# Altium PCB PCB_MPPT_rev1.PcbDoc (part 1 of 3)
Units mm, origin at the board's own origin, x right, y up, seen from the top; angles counter-clockwise.
Board outline 100 x 200 mm, 4 copper layers (Top Layer, INT1, INT2, Bottom Layer), stack 1.49 mm thick; 287 components, 160 nets, 844 pads, 592 vias.
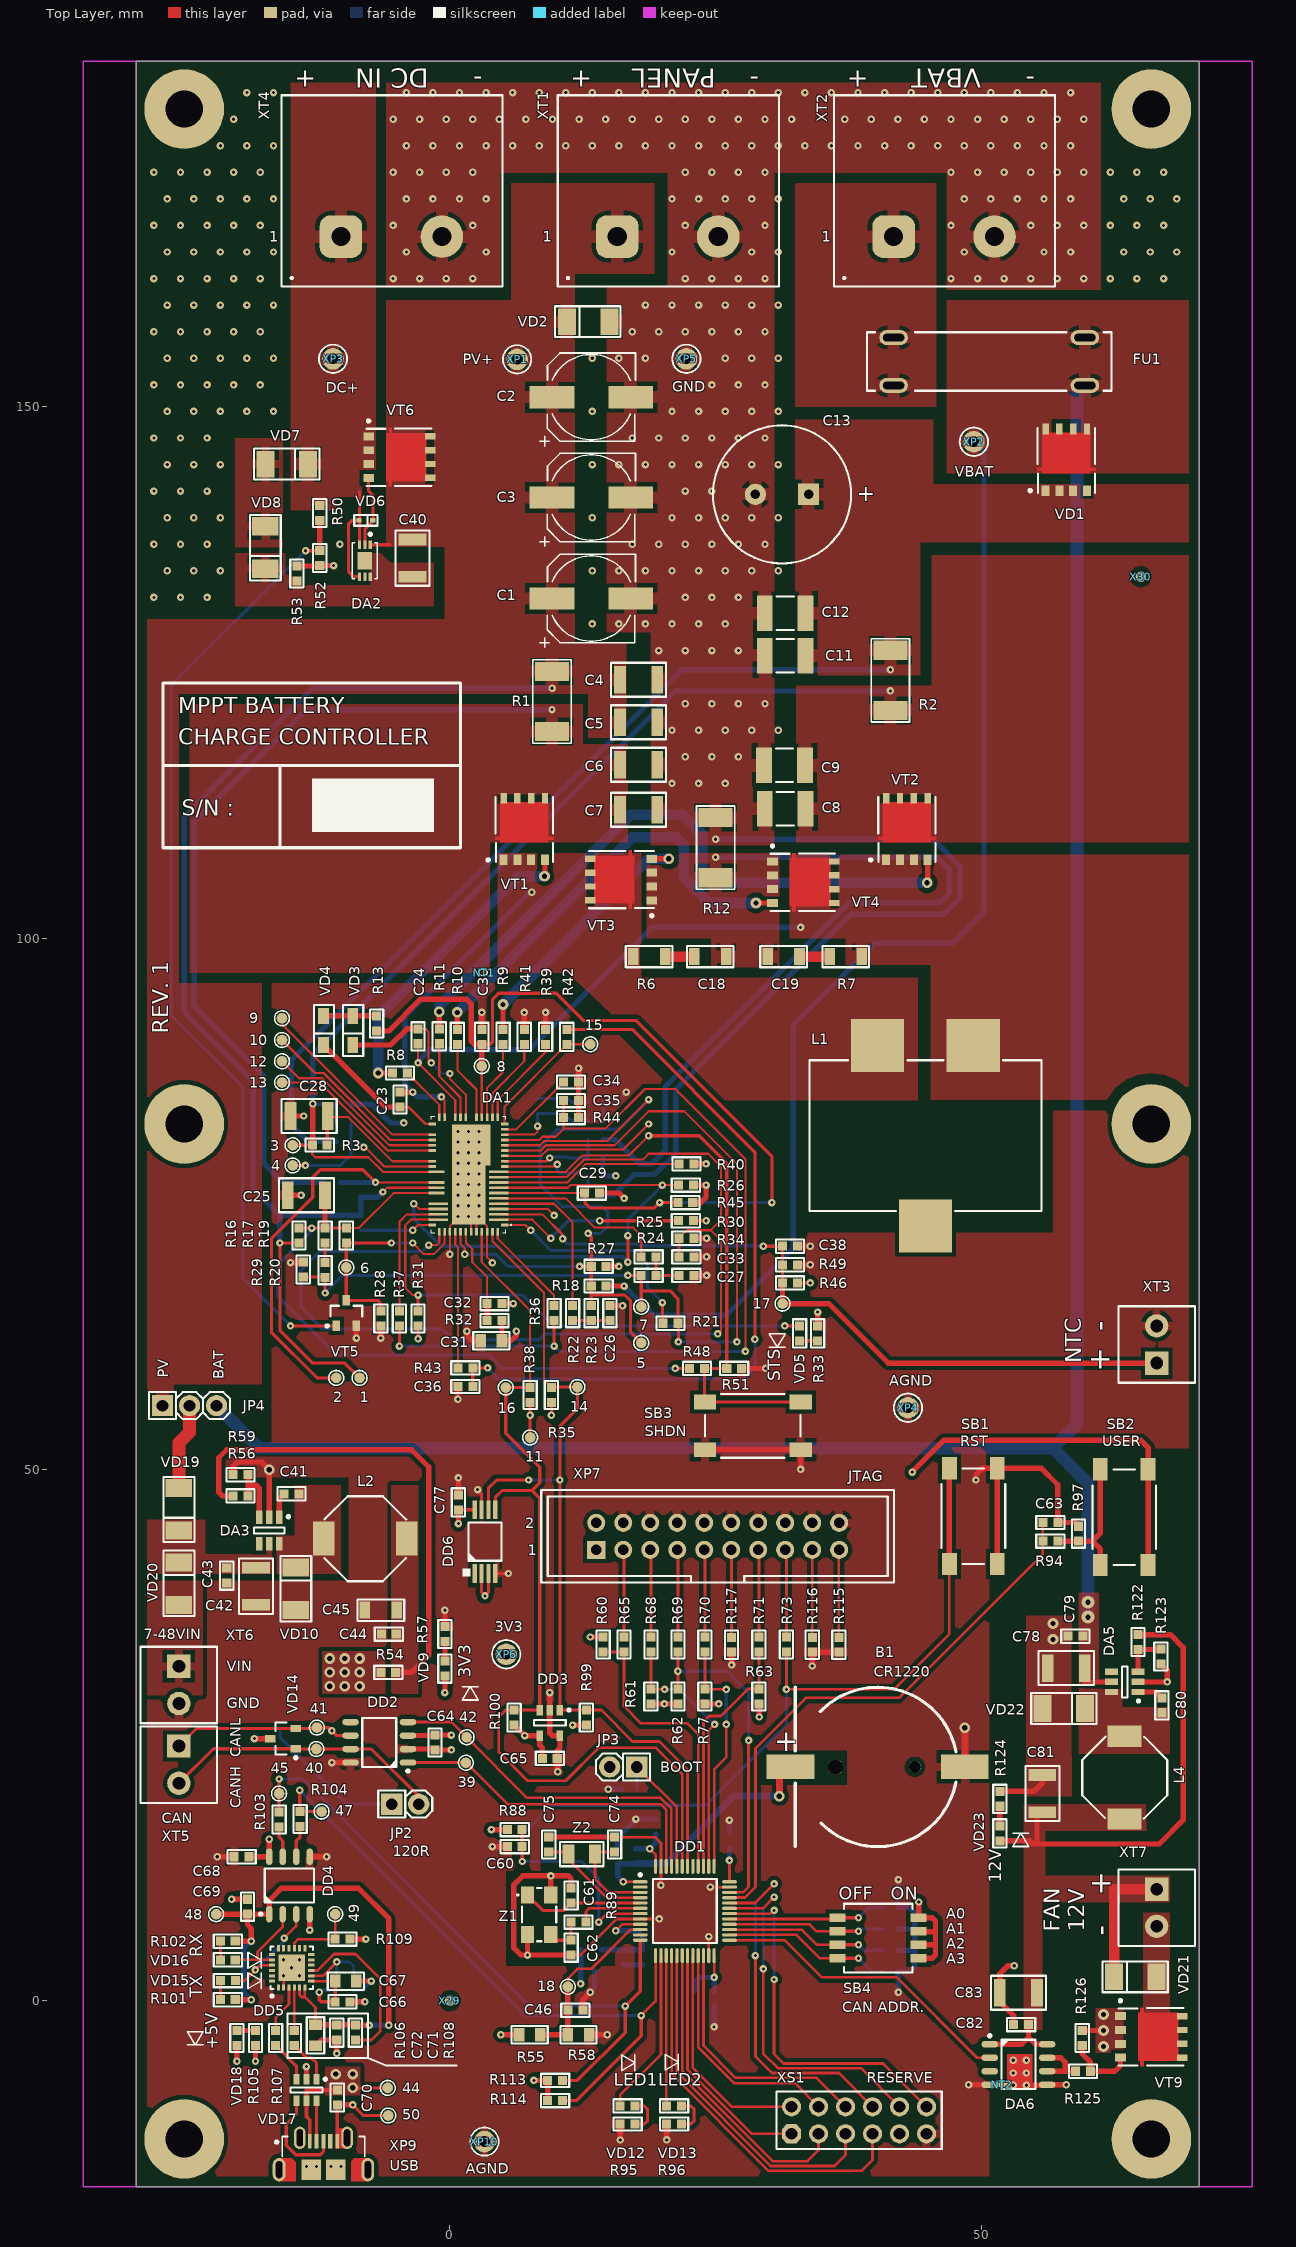
[diagram p0: Top Layer view]
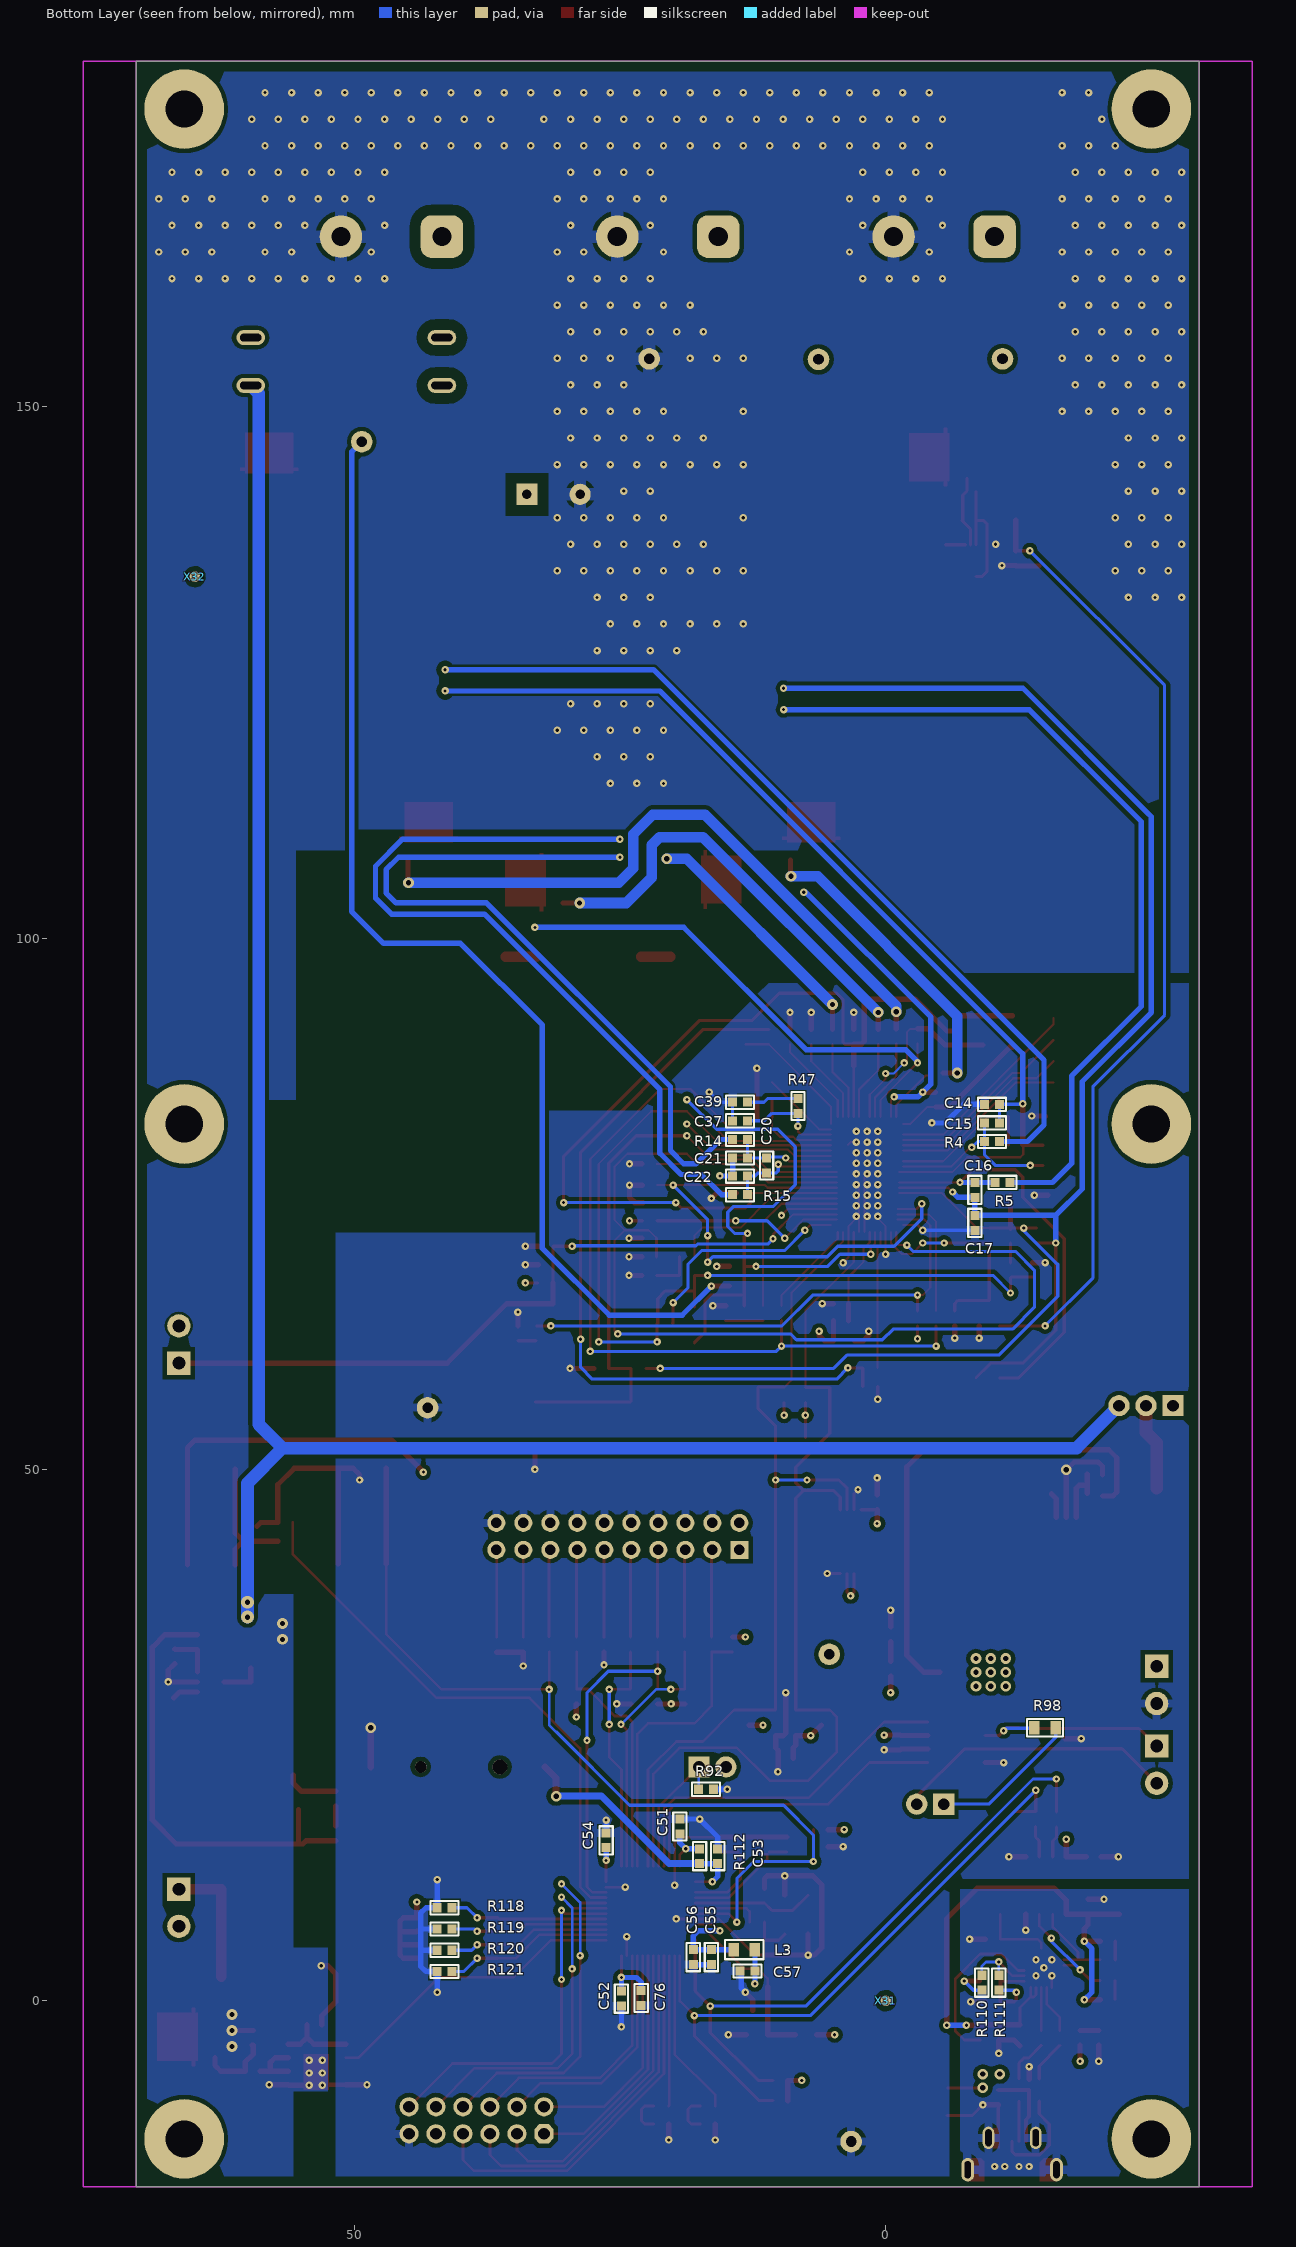
[diagram p1: Bottom Layer view, seen from below]
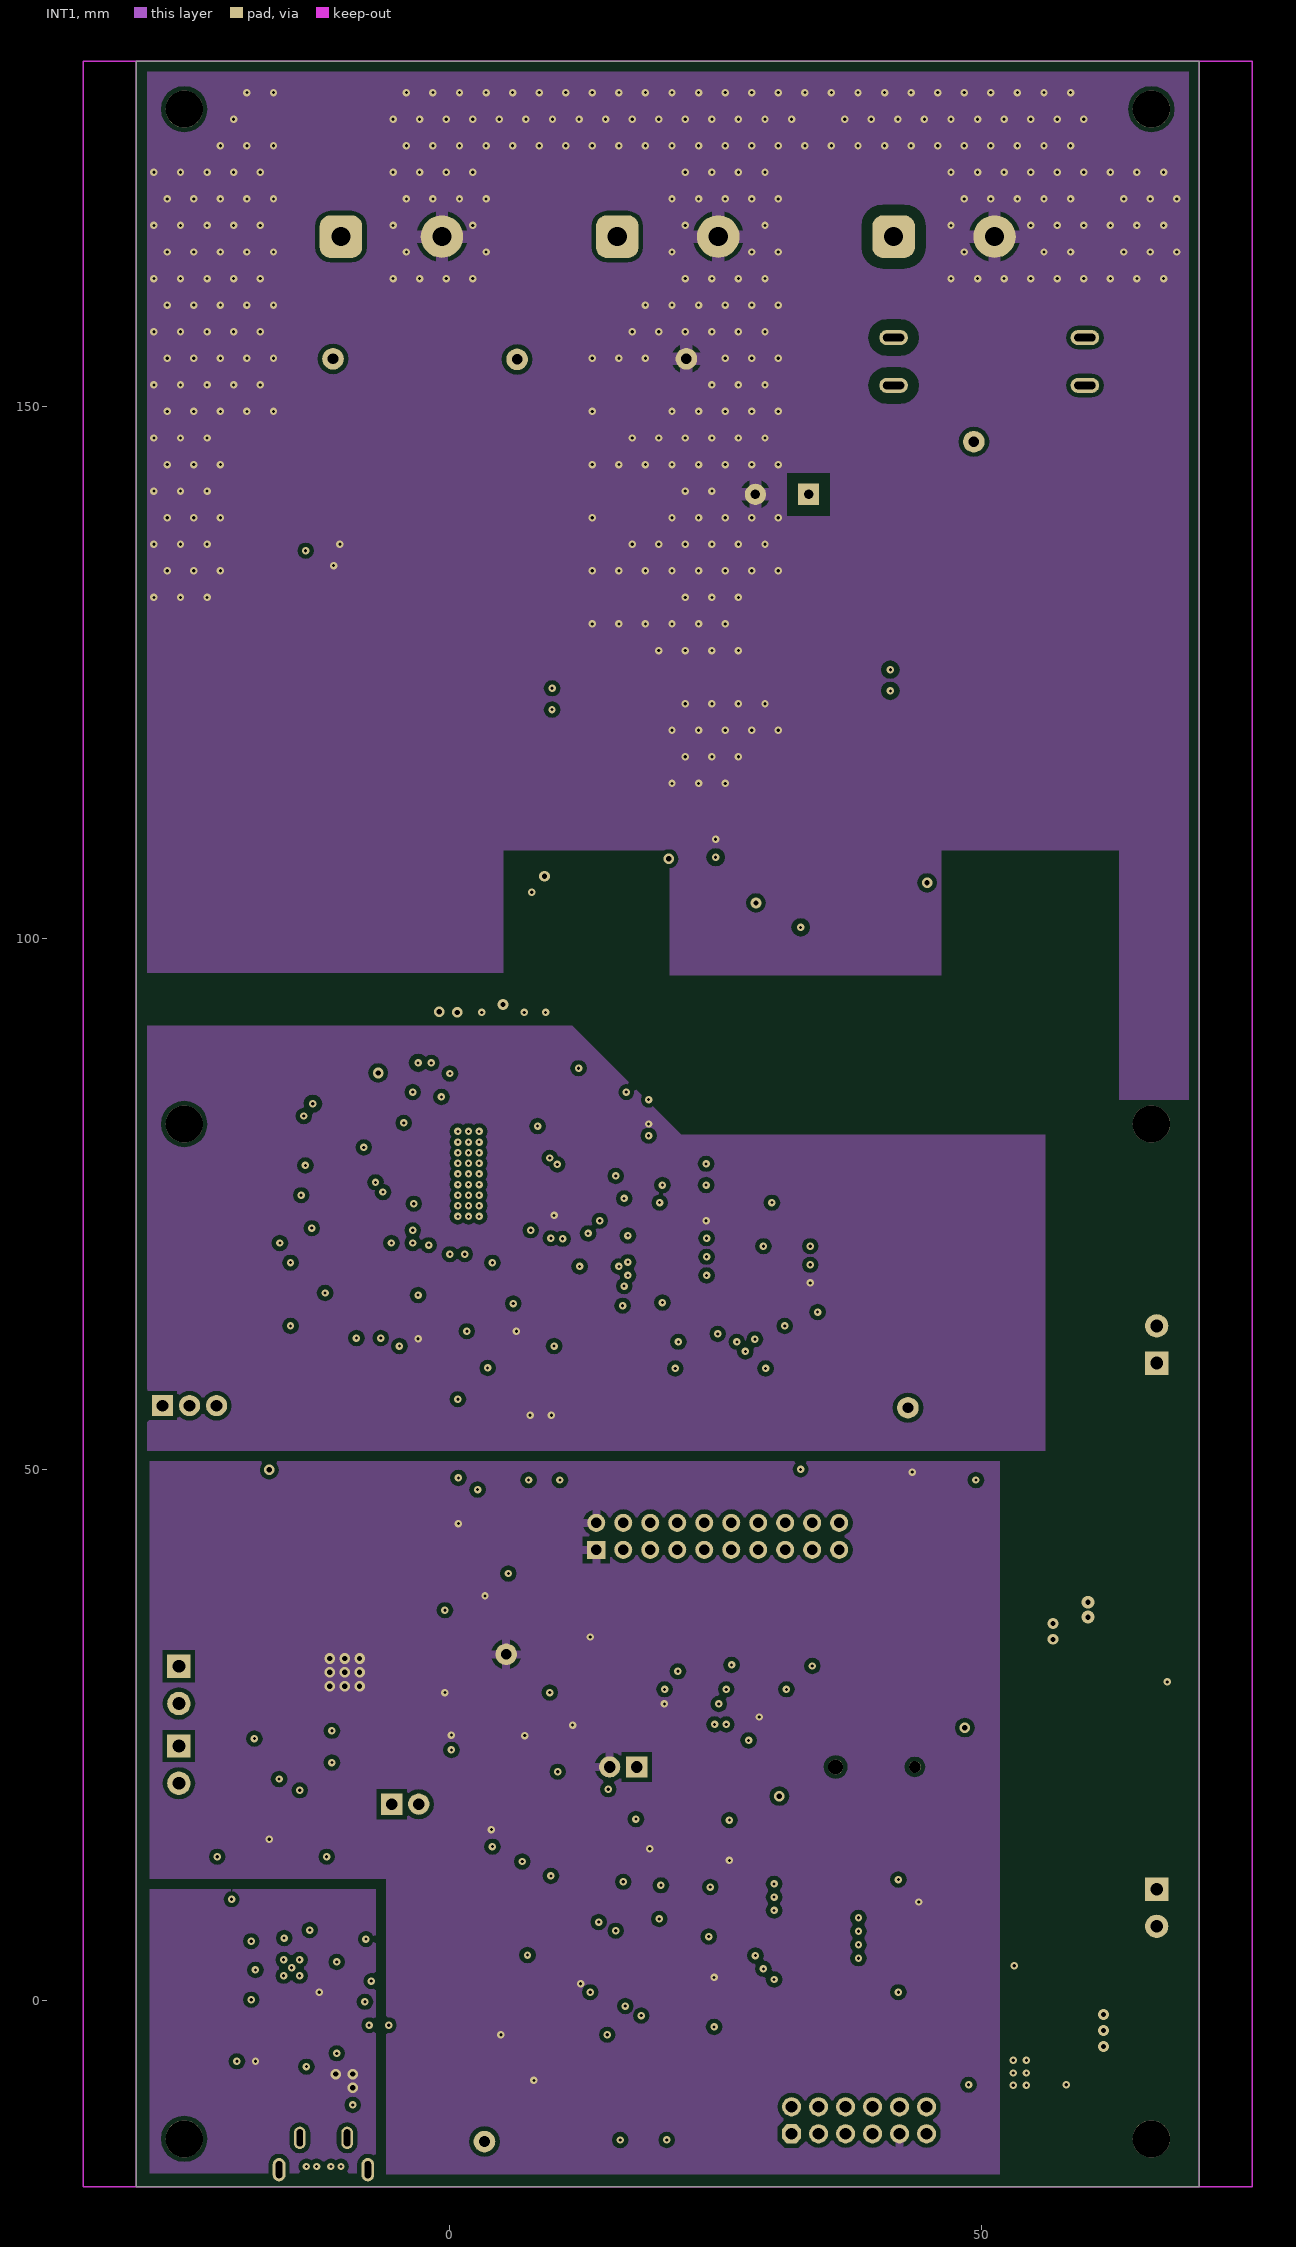
[diagram p2: INT1]
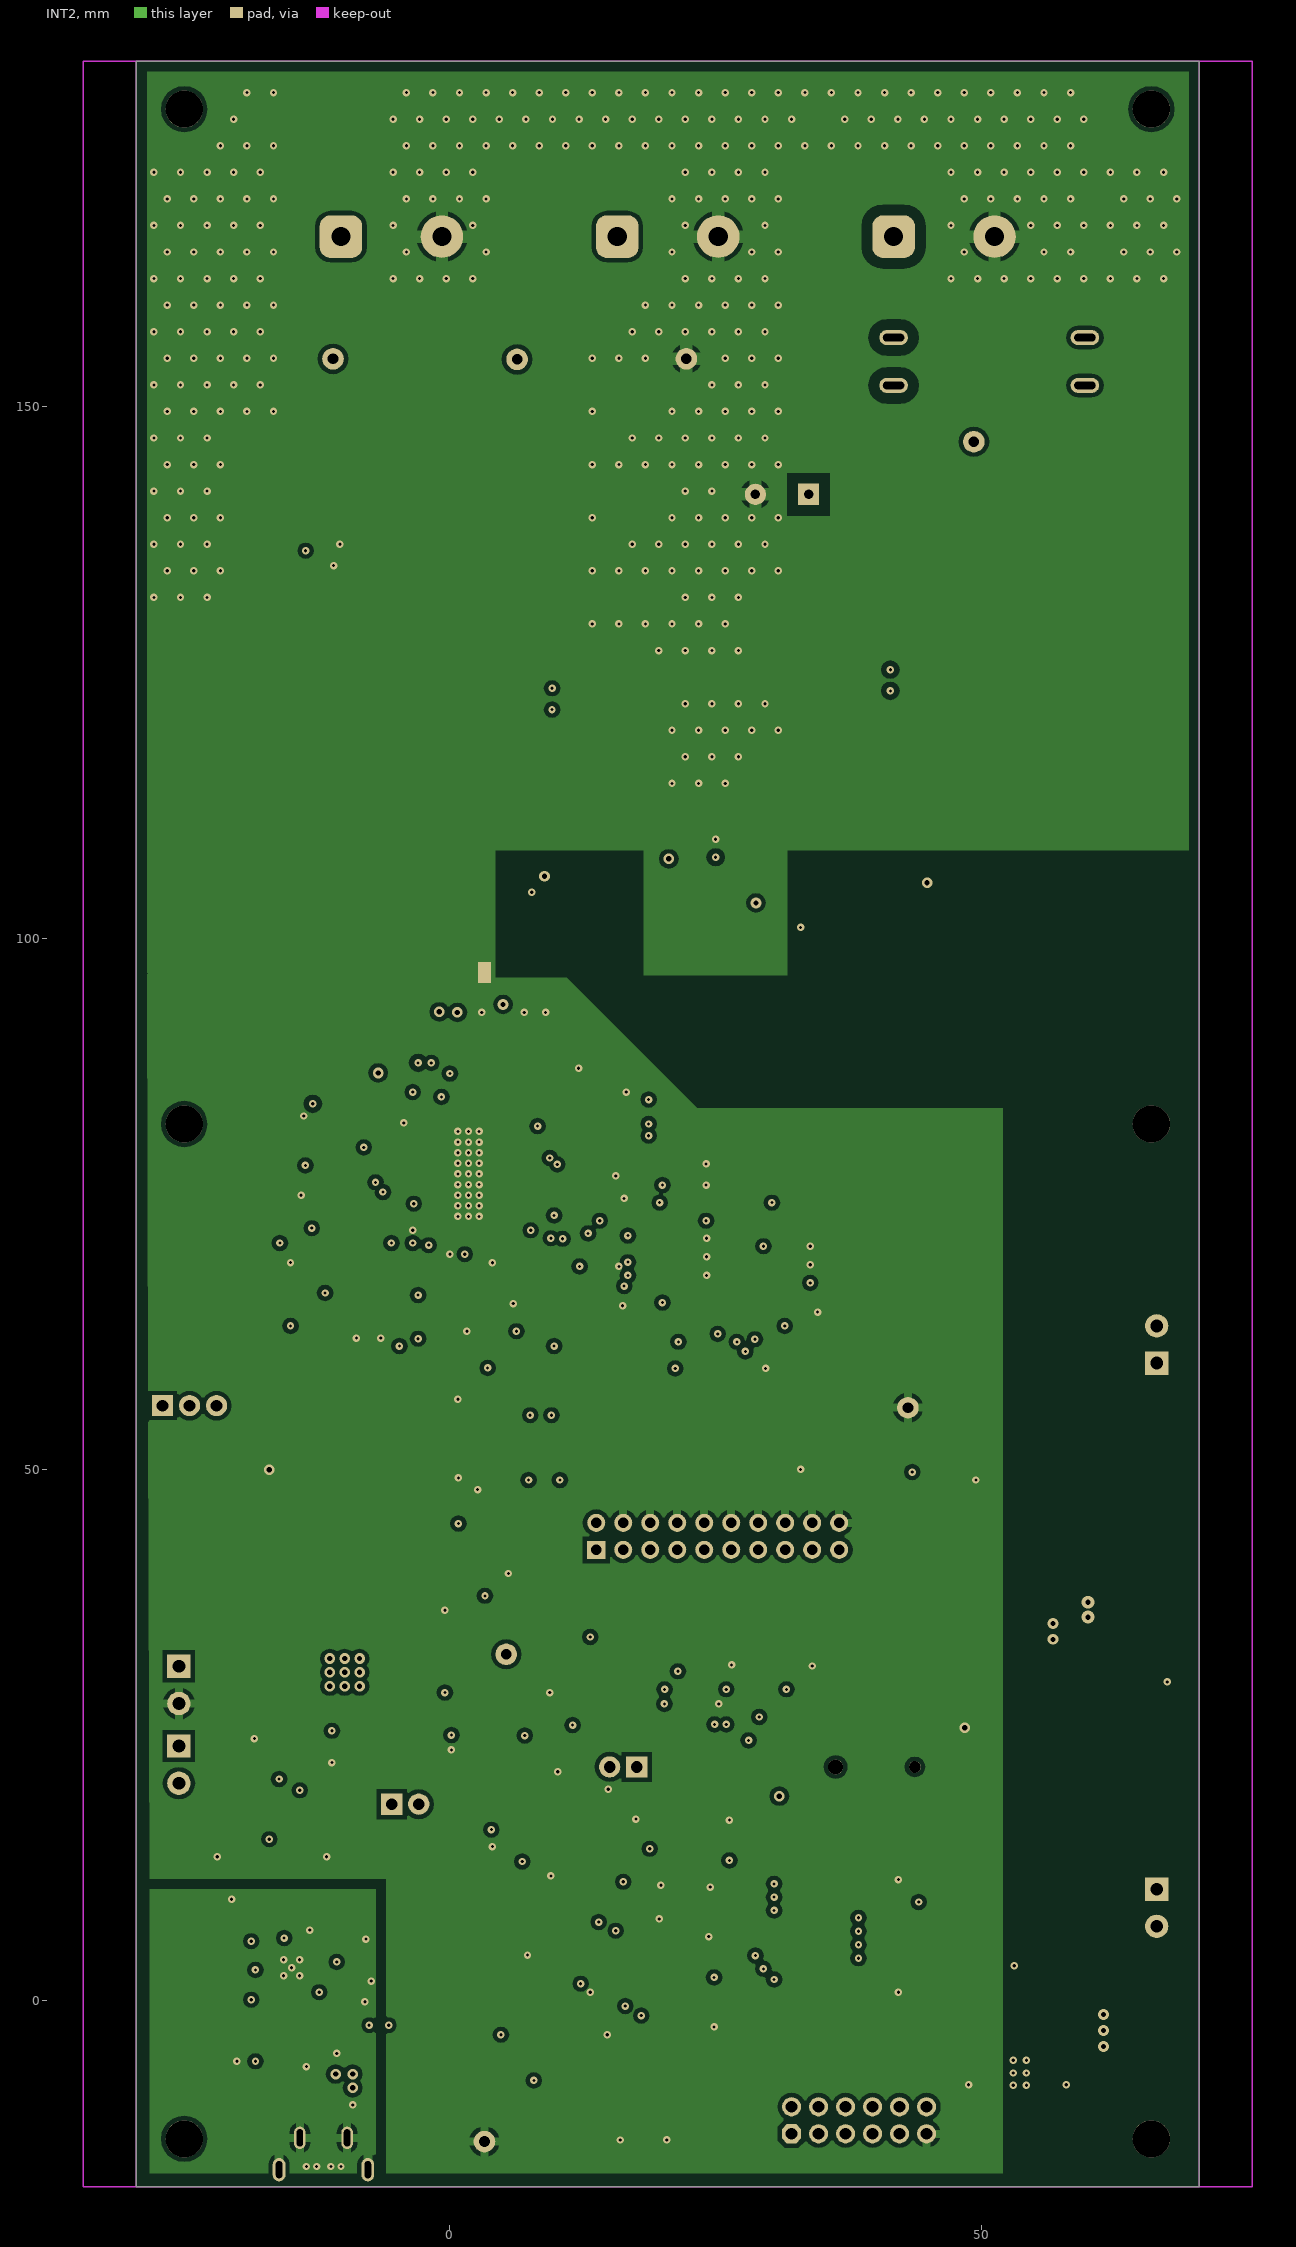
[diagram p3: INT2]

## Layer stack, top to bottom
Top Solder: solder mask 0.0102, Solder Resist, Dk 3.5
Top Layer: signal copper 0.035
PREPREG1: prepreg 0.32, 2116+7628, Dk 4.2
INT1: signal copper 0.035
CORE1: core 0.71, FR-4, Dk 4.2
INT2: signal copper 0.035
PREPREG2: prepreg 0.32, 2116+7628, Dk 4.2
Bottom Layer: signal copper 0.035
Bottom Solder: solder mask 0.0102, Solder Resist, Dk 3.5

## Board outline
-29.5,-17.5 -29.5,182.5 70.5,182.5 70.5,-17.5

## Design rules (kind name [scope] priority, off if disabled: settings)
AcuteAngle [All] p1: minimum=3.50000000000000E+0001 checktracksonly=FALSE
BoardOutlineClearance Overlay_Silk [(OnLayer('Top Overlay') OR OnLayer('Bottom Overlay'))] p1: gap=0.2 ignorepadtopadclearanceinfootprint=FALSE // Øåëêîãðàôèÿ äî êðàÿ ïëàòû
BoardOutlineClearance [All] p2: gap=0.5 ignorepadtopadclearanceinfootprint=FALSE except(0: Arc-SplitContinuation Track-SplitContinuation SMDPad-SplitContinuation THPad-SplitContinuation Via-SplitContinuation Fill-SplitContinuation Poly-SplitContinuation Region-SplitContinuation Text-SplitContinuation)
Clearance Clearance_100V [InNetClass('100V')] p1: gap=0.25 ignorepadtopadclearanceinfootprint=FALSE except(0.35: Arc-Hole Track-Hole SMDPad-Hole THPad-Hole Via-Hole Fill-Hole Poly-Hole Region-Hole Text-Hole; 0.5: Via-Fill Via-Poly Via-Region Fill-Fill Fill-Poly Fill-Region Poly-Poly Poly-Region Region-Region; 1: Arc-THPad Track-THPad THPad-Via THPad-Fill THPad-Poly THPad-Region) // çàçîð âûõîäíûõ öåïåé 1ìì
Clearance Clearance_Poly_Fill_AGND-GND-DGND [(InNet('AGND') or   InNet('GND') or InNet('DGND')) and (isFill or IsPad or InPolygon ) vs (InNet('AGND') or   InNet('GND') or InNet('DGND')) and InPolygon] p2: gap=0.2 ignorepadtopadclearanceinfootprint=FALSE except(0: Arc-SMDPad Track-SMDPad SMDPad-SMDPad SMDPad-Fill SMDPad-Poly SMDPad-Region Fill-Fill Fill-Poly Fill-Region Poly-Poly Poly-Region Region-Region; 0.35: Arc-Hole Track-Hole SMDPad-Hole THPad-Hole Via-Hole Fill-Hole Poly-Hole Region-Hole Text-Hole; 0.4: Arc-Fill Arc-Poly Arc-Region Track-Fill Track-Poly Track-Region) // íóëåâîé çàçîð ìåæäó ïîëèãîíàìè çåìåëü äëÿ îáúåäèíåíèÿ
Clearance Exludes_XP9 [(InComponent('XP9') AND IsPad AND OnLayer('Multi-Layer')) vs (InComponent('XP9') AND IsPad) OR IsTrack AND (OnLayer('Top Layer'))] p3: gap=0.2 ignorepadtopadclearanceinfootprint=TRUE // èñêëþ÷åíèå äëÿ çàçîðà ðàçúåìà microUSB
Clearance Exludes_PAD_VD1 [(InComponent('VD1') AND IsPad) vs (InComponent('VD1') AND IsRegion)] p4: gap=0 ignorepadtopadclearanceinfootprint=TRUE // èñêëþ÷åíèå äëÿ ïëîùàäîê VD1
Clearance Clearance_Polygon [InPolygon] p5: gap=0.4 ignorepadtopadclearanceinfootprint=FALSE except(0.35: Arc-Hole Track-Hole SMDPad-Hole THPad-Hole Via-Hole Fill-Hole Poly-Hole Region-Hole Text-Hole)
Clearance Clearance_MultiLayerPad [OnLayer('Multi-Layer') and IsPad] p6: gap=0.25 ignorepadtopadclearanceinfootprint=FALSE except(0.35: Arc-Hole Track-Hole SMDPad-Hole THPad-Hole Via-Hole Fill-Hole Poly-Hole Region-Hole Text-Hole)
Clearance "Clearance-1 1 Oz" [All] p7: gap=0.2 ignorepadtopadclearanceinfootprint=FALSE except(0.35: Arc-Hole Track-Hole SMDPad-Hole THPad-Hole Via-Hole Fill-Hole Poly-Hole Region-Hole Text-Hole) // Standart
ComponentClearance ComponentClearance_harwin [InComponent('XP1')] p1: gap=0.254 collisioncheckmode=3 verticalgap=2540 showdistances=FALSE
ComponentClearance ComponentClearance_caps [HasFootprint('CAP: 1210') vs HasFootprint('CAP: 1210')] p2: gap=-1 collisioncheckmode=3 verticalgap=2540 showdistances=FALSE
ComponentClearance [All] p3: gap=0.254 collisioncheckmode=3 verticalgap=0.254 showdistances=FALSE
DiffPairsRouting "DiffPairsRouting 1/2 Oz" [All] p1: maxlimit=0.254 minlimit=0.1 mostfreqgap=0.254 toplayer_minwidth=0.1 toplayer_maxwidth=0.381 toplayer_prefwidth=0.381 midlayer1_minwidth=0.1 midlayer1_maxwidth=0.381 midlayer1_prefwidth=0.381 midlayer2_minwidth=0.1 midlayer2_maxwidth=0.381 midlayer2_prefwidth=0.381 bottomlayer_minwidth=0.1 bottomlayer_maxwidth=0.381 bottomlayer_prefwidth=0.381 maxuncoupledlength=12.7
DiffPairsRouting "DiffPairsRouting 1 Oz" [All] p2: maxlimit=0.254 minlimit=0.2 mostfreqgap=0.254 toplayer_minwidth=0.2 toplayer_maxwidth=0.381 toplayer_prefwidth=0.381 midlayer1_minwidth=0.2 midlayer1_maxwidth=0.381 midlayer1_prefwidth=0.381 midlayer2_minwidth=0.2 midlayer2_maxwidth=0.381 midlayer2_prefwidth=0.381 bottomlayer_minwidth=0.2 bottomlayer_maxwidth=0.381 bottomlayer_prefwidth=0.381 maxuncoupledlength=12.7
DiffPairsRouting [All] p3: maxlimit=0.254 minlimit=0.15 mostfreqgap=0.254 toplayer_minwidth=0.15 toplayer_maxwidth=0.381 toplayer_prefwidth=0.381 midlayer1_minwidth=0.15 midlayer1_maxwidth=0.381 midlayer1_prefwidth=0.381 midlayer2_minwidth=0.15 midlayer2_maxwidth=0.381 midlayer2_prefwidth=0.381 bottomlayer_minwidth=0.15 bottomlayer_maxwidth=0.381 bottomlayer_prefwidth=0.381 maxuncoupledlength=12.7
HoleSize "Minimum HoleSize" [IsPad] p1: absolutevalues=TRUE maxlimit=5.9 minlimit=0.6 maxpercent=80.000 minpercent=20.000
HoleSize [All] p2: absolutevalues=TRUE maxlimit=5 minlimit=0.3 maxpercent=80.000 minpercent=20.000
HoleToHoleClearance Hole2HoleClearance [All] p1: gap=0.25 allowstackedmicrovias=FALSE
MinimumAnnularRing MinimumAnnularRing_1 [All] p1: minimumring=0.2 // Standart
MinimumSolderMaskSliver "SolderMask Bridge Standart" [All] p1: minsoldermaskwidth=0.15 // All Masks
PlaneClearance [All] p1: clearance=0.5
PlaneConnect [InComponentClass('Polygon_direct')] p1: planeconnectstyle=Direct reliefexpansion=0.5 reliefentries=4 reliefconductorwidth=0.3 reliefairgap=0.2
PolygonConnect PolygonConnect_Via [IsVia] p1: connectstyle=Direct reliefconductorwidth=0.254 reliefentries=4 polygonreliefangle="90 Angle" airgapwidth=0.254
PolygonConnect PolygonConnect_direct [All vs InComponentClass('Polygon_direct') or IsFill] p2: connectstyle=Direct reliefconductorwidth=1 reliefentries=4 polygonreliefangle="90 Angle" airgapwidth=0.3
PolygonConnect "PolygonConnect to HightAmp" [InNetClass('HightAmp')] p3: connectstyle=Relief reliefconductorwidth=1.2 reliefentries=4 polygonreliefangle="90 Angle" airgapwidth=0.4 // æèðíûå òåðìîáàðüåðû
PolygonConnect [All] p4: connectstyle=Relief reliefconductorwidth=0.8 reliefentries=4 polygonreliefangle="90 Angle" airgapwidth=0.4
RoutingCorners [All] p1 off: cornerstyle=45-Degree minsetback=2.54 maxsetback=2.54
RoutingVias [All] p1: holewidth=0.3 width=0.7 viastyle="Through Hole" minholewidth=0.3 minwidth=0.6 maxholewidth=5.9 maxwidth=6.4
ShortCircuit ShortCircuit_VT1 [IsRegion  And VT1 vs IsPad  And  VT1] p1: allowed=TRUE // Allow
ShortCircuit [All] p2: allowed=TRUE
SilkToSilkClearance Silk2SilkClearance [All] p1 off: silktosilkclearance=0.15
SilkToSolderMaskClearance Silk2SolderMaskClearance [IsPad] p1 off: minsilkscreentomaskgap=0.15 clearancetoexposedcopper=TRUE
SolderMaskExpansion SolderMaskExpansion-1 [All] p1: expansion=0.1 // Standart
UnRoutedNet [All] p1: checkbadconnections=TRUE
Width "Width Silk" [OnSilkscreen] p1: maxlimit=10 minlimit=0.15 preferedwidth=0.2 checkconnectedcopper=TRUE // Standart
Width "Width 1 Oz" [All] p2: maxlimit=10 minlimit=0.2 preferedwidth=0.3 minimp=50.000000 maximp=50.000000 favimp=50.000000 checkconnectedcopper=TRUE // Standart
18 further rules are at their usual default settings.

## Classes and differential pairs
component class Polygon_direct: C40 C42 C43 C44 C45 C70 C71 C78 C79 C81 C82 C83 DA2 DA3 DA5 DA6 L1 L2 L4 NT1 NT2 R54 R105 VD1 VD10 VD17 VD19 VD20 VD21 VD22 VT1 VT2 VT3 VT4 VT5 VT6 VT9 XT7
component class Sheet2: 39 40 41 42 44 45 47 48 49 50 B1 C51 C52 C53 C54 C55 C56 C57 C60 C61 C62 C63 C64 C65 C66 C67 C68 C69 C70 C71 C72 C74 C75 C76 C77 C78 C79 C80 C81 C82 C83 DA5 DA6 DD1 DD2 DD3 DD4 DD5 DD6 JP2 JP3 L3 L4 NT2 R60 R61 R62 R63 R65 R68 R69 R70 R71 R73 R77 R88 R89 R92 R94 R95 R96 R97 R98 R99 R100 R101 R102 R103 R104 R105 R106 R107 R108 R109 R110 R111 R112 R113 R114 R115 R116 R117 R118 R119 R120 R121 R122 R123 R124 R125 R126 SB1 SB2 SB4 VD12 VD13 VD14 VD15 VD16 VD17 VD18 VD21 VD22 VD23 VT9 XP7 XP9 XS1 XT5 XT7 Z1 Z2
component class Sheet1: 1 2 3 4 5 6 7 8 9 10 11 12 13 14 15 16 17 18 C1 C2 C3 C4 C5 C6 C7 C8 C9 C11 C12 C13 C14 C15 C16 C17 C18 C19 C20 C21 C22 C23 C24 C25 C26 C27 C28 C29 C30 C31 C32 C33 C34 C35 C36 C37 C38 C39 C40 C41 C42 C43 C44 C45 C46 DA1 DA2 DA3 DC FU1 JP4 L1 L2 NT1 R1 R2 R3 R4 R5 R6 R7 R8 R9 R10 R11 R12 R13 R14 R15 R16 R17 R18 R19 R20 R21 R22 R23 R24 R25 R26 R27 R28 R29 R30 R31 R32 R33 R34 R35 R36 R37 R38 R39 R40 R41 R42 R43 R44 R45 R46 R47 R48 R49 R50 R51 R52 R53 R54 R55 R56 R57 R58 R59 SB3 VD1 VD2 VD3 VD4 VD5 VD6 VD7 VD8 VD9 VD10 VD19 VD20 VT1 VT2 VT3 VT4 VT5 VT6 XP1 XP2 XP3 XP4 XP5 XP6 XP10 XT1 XT2 XT3 XT4 XT6
net class 100V: A Net3_1 NetC11_2 SW2 VBATF
net class HightAmp: A DC_IN GND Net3_1 NetC6_2 NetC11_2 SW1 SW2 VBAT VBATF VIN1
